# Altium PCB V5+_CORE_RC02.PcbDoc (part 1 of 3) (continued)
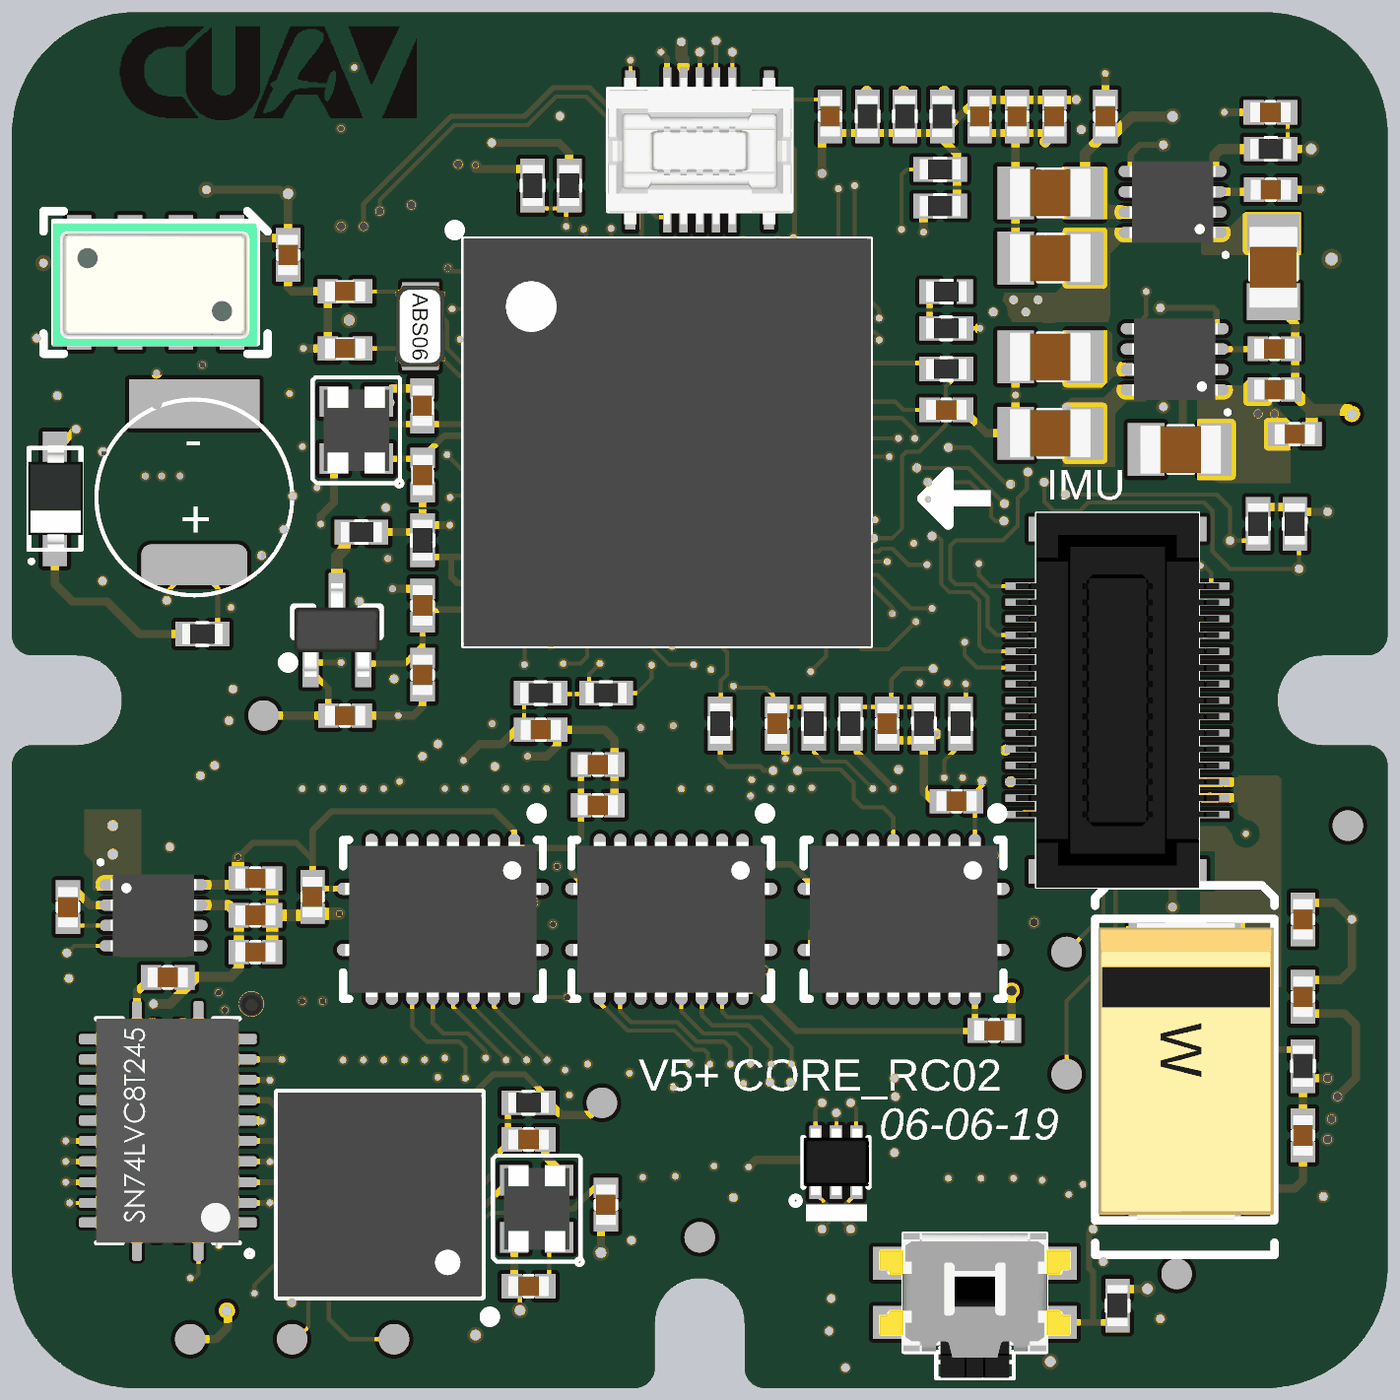
[diagram p8: 3D render of the assembled board from above, using the file's embedded part models]
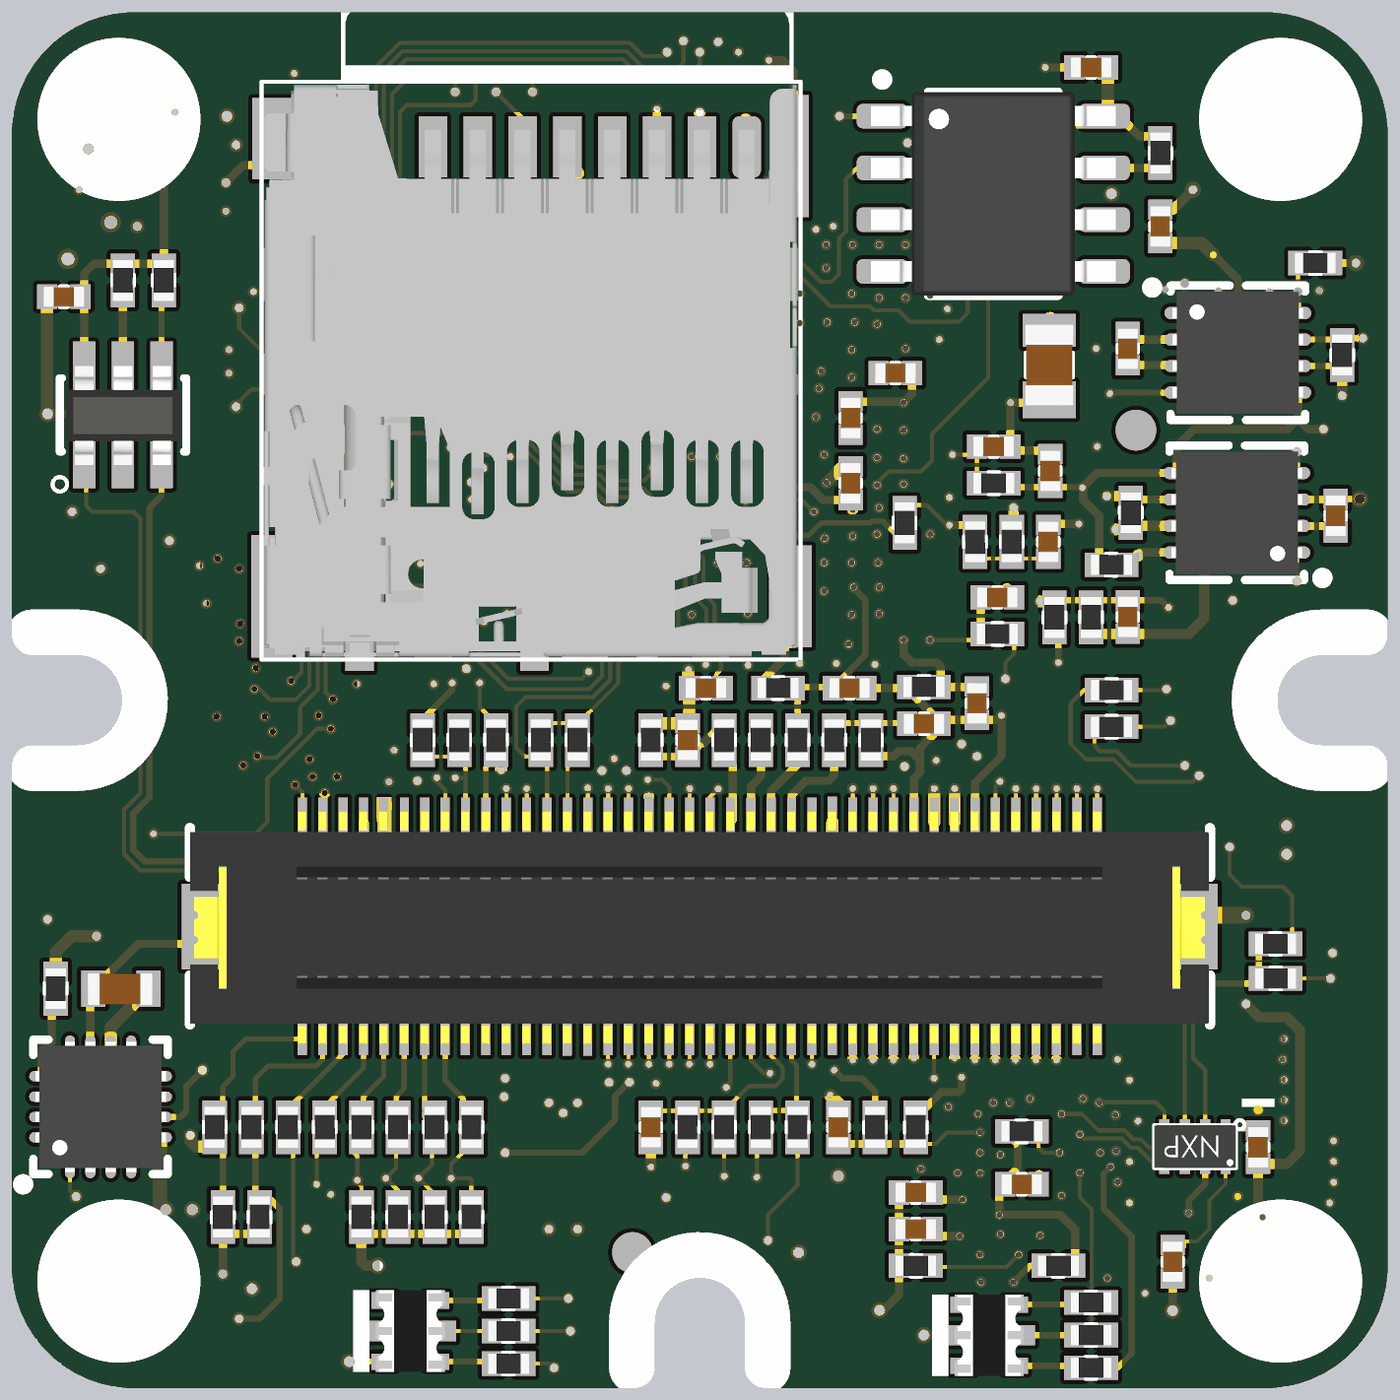
[diagram p9: 3D render of the assembled board from below, using the file's embedded part models]

## Layer stack, top to bottom
Top Solder: solder mask 0.0102, Solder Resist, Dk 3.5
Top Layer: signal copper 0.0356
Dielectric 1: core 0.254, FR-4, Dk 4.2
GND: signal copper 0.036
Dielectric 6: prepreg 0.127, Dk 4.2
S1: signal copper 0.036
Dielectric 3: core 0.254, Dk 4.2
S2: signal copper 0.036
Dielectric 7: prepreg 0.127, Dk 4.2
POWER: signal copper 0.036
Dielectric 5: core 0.254, Dk 4.2
Bottom Layer: signal copper 0.0356
Bottom Solder: solder mask 0.0102, Solder Resist, Dk 3.5

## Board outline
-16.875,0.3 ccw(c-13.875,0.3) -13.875,-2.7 -1.6,-2.7 ccw(c-1.6,-2.2) -1.1,-2.2 -1.1,-1.1 cw(c0,-1.1) 1.1,-1.1 1.1,-2.2 ccw(c1.6,-2.2) 1.6,-2.7 13.875,-2.7 ccw(c13.875,0.3) 16.875,0.3 16.875,12.575 ccw(c16.375,12.575) 16.375,13.075 15.275,13.075 cw(c15.275,14.175) 15.275,15.275 16.375,15.275 ccw(c16.375,15.775) 16.875,15.775 16.875,28.05 ccw(c13.875,28.05) 13.875,31.05 -13.875,31.05 ccw(c-13.875,28.05) -16.875,28.05 -16.875,15.775 ccw(c-16.375,15.775) -16.375,15.275 -15.275,15.275 cw(c-15.275,14.175) -15.275,13.075 -16.375,13.075 ccw(c-16.375,12.575) -16.875,12.575

## Design rules (kind name [scope] priority, off if disabled: settings)
Clearance [InPolygon vs OnLayer('Top Layer')         +OnLayer('GND')            +OnLayer('bottom Layer')  +OnLayer('POWER')     +OnLayer('S1')  +OnLayer('S2')  +OnMultiLayer] p1: gap=0.2
Clearance Clearance_1 [OnLayer('gnd')        +OnLayer('S1') +OnLayer('S2')+OnLayer('POWER')] p2: gap=0.125 except(0.1: Arc-Arc Arc-Track Arc-SMDPad Track-Track Track-SMDPad SMDPad-SMDPad; 0.15: Arc-Via Track-Via SMDPad-Via THPad-Via Via-Via)
Clearance Clearance_2 [All] p3: gap=0.125 except(0.1: Arc-Arc Arc-Track Arc-SMDPad Track-Track Track-SMDPad SMDPad-SMDPad)
DiffPairsRouting [All] p1: maxlimit=0.254 minlimit=0.125 mostfreqgap=0.254 toplayer_minwidth=0.1 toplayer_maxwidth=0.381 toplayer_prefwidth=0.2 midlayer1_minwidth=0.1 midlayer1_maxwidth=0.381 midlayer1_prefwidth=0.2 midlayer2_minwidth=0.1 midlayer2_maxwidth=0.381 midlayer2_prefwidth=0.2 midlayer3_minwidth=0.1 midlayer3_maxwidth=0.381 midlayer3_prefwidth=0.2 midlayer4_minwidth=0.1 midlayer4_maxwidth=0.381 midlayer4_prefwidth=0.2 bottomlayer_minwidth=0.1 bottomlayer_maxwidth=0.381 bottomlayer_prefwidth=0.2 maxuncoupledlength=12.7
HoleSize [All] p1: absolutevalues=TRUE maxlimit=2.54 minlimit=0.1 maxpercent=80.000 minpercent=20.000
MinimumSolderMaskSliver [All] p1: minsoldermaskwidth=0.17
PlaneClearance [All] p1: clearance=0.18
PlaneConnect [All] p1: planeconnectstyle=Direct reliefexpansion=0.508 reliefentries=4 reliefconductorwidth=0.254 reliefairgap=0.254
PolygonConnect [InNet('3V3')+InNet('MCU_3V3')+InNet('VBUS')+InNet('VDD_5V_IN')   +InNet('TF_3V3')    +InNet('IMU_3V3')  +InNet('VBAT') +InNet('IO1_3V3')  +InNet('VDD_5V_IN_IMU')  +OnMultiLayer] p1: connectstyle=Direct reliefconductorwidth=0.254 reliefentries=4 polygonreliefangle="90 Angle" airgapwidth=0.254
PolygonConnect PolygonConnect_1 [All] p2: connectstyle=Relief reliefconductorwidth=0.254 reliefentries=4 polygonreliefangle="90 Angle" airgapwidth=0.2
RoomDefinition 10_PX4IO_V2 [InComponentClass('10_PX4IO_V2')] p1: confinementstyle=ConfineIn formatcopy=TRUE lockcomponents=FALSE outline -86.353,-60.24 -35.553,-60.24 -35.553,-34.84 -86.353,-34.84
RoomDefinition 09_B_T_B_IO [InComponentClass('09_B_T_B_IO')] p2: confinementstyle=ConfineIn formatcopy=TRUE lockcomponents=FALSE outline 18.047,-1.24 20.347,-1.24 20.347,1.26 18.047,1.26
RoomDefinition 08_B_TO_B_V5+ [InComponentClass('08_B_TO_B_V5+')] p3: confinementstyle=ConfineIn formatcopy=TRUE lockcomponents=FALSE outline -86.353,-60.24 -35.553,-60.24 -35.553,-34.84 -86.353,-34.84
RoomDefinition 06_CAN_BUS [InComponentClass('06_CAN_BUS')] p4: confinementstyle=ConfineIn formatcopy=TRUE lockcomponents=FALSE outline -86.353,-60.24 -35.553,-60.24 -35.553,-34.84 -86.353,-34.84
RoomDefinition 05_Power_LDO [InComponentClass('05_Power_LDO')] p5: confinementstyle=ConfineIn formatcopy=TRUE lockcomponents=FALSE outline -86.353,-60.24 -35.553,-60.24 -35.553,-34.84 -86.353,-34.84
RoomDefinition 03_TF_CARD&MTD [InComponentClass('03_TF_CARD&MTD')] p6: confinementstyle=ConfineIn formatcopy=TRUE lockcomponents=FALSE outline -86.353,-60.24 -35.553,-60.24 -35.553,-34.84 -86.353,-34.84
RoomDefinition 02_FMU_MCU_IO [InComponentClass('02_FMU_MCU_IO')] p7: confinementstyle=ConfineIn formatcopy=TRUE lockcomponents=FALSE outline -86.353,-60.24 -35.553,-60.24 -35.553,-34.84 -86.353,-34.84
RoomDefinition 01_FMU_MCU_SYS [InComponentClass('01_FMU_MCU_SYS')] p8: confinementstyle=ConfineIn formatcopy=TRUE lockcomponents=FALSE outline -86.353,-60.24 -35.553,-60.24 -35.553,-34.84 -86.353,-34.84
RoomDefinition 07_5V_RAIL_ADC [InComponentClass('07_5V_RAIL_ADC')] p9: confinementstyle=ConfineIn formatcopy=TRUE lockcomponents=FALSE outline 18.002,-1.262 54.154,-1.262 54.154,1.138 18.002,1.138
RoomDefinition 04_ONB_Sensor [InComponentClass('04_ONB_Sensor')] p10: confinementstyle=ConfineIn formatcopy=TRUE lockcomponents=FALSE outline 17.847,-1.14 24.047,-1.14 24.047,9.76 17.847,9.76
RoutingVias [All] p1: holewidth=0.2 width=0.3 viastyle="Through Hole" minholewidth=0.15 minwidth=0.25 maxholewidth=1 maxwidth=5
SilkToSilkClearance [All] p1: silktosilkclearance=0.2
SilkToSolderMaskClearance [IsPad] p1: minsilkscreentomaskgap=0.125 clearancetoexposedcopper=TRUE
SolderMaskExpansion [All] p1: expansion=0.102
Width [All] p1: maxlimit=1 minlimit=0.1 preferedwidth=0.1 midlayer3_prefwidth=0.15 midlayer4_prefwidth=0.125 minimp=50.000000 maximp=50.000000 favimp=50.000000
23 further rules are at their usual default settings.

## Classes and differential pairs
component class 09_B_T_B_IO: C50 C51 C53 C56 C57 C58 C59 C67 R15 R16 R24 R25 R26 R28 R29 R30 R37 R39 R43 R44 R47 R48 R58 R59 U11 U12 U14 U15
component class 07_5V_RAIL_ADC: C29 C35 C36 C37 C38 C39 C40 C41 R13 R14 R20 R21 R22 R23 R34 R35 R36 R63 R64 R71 R72 R73 R78
component class 01_FMU_MCU_SYS: BOOT0 C1 C2 C3 C4 C5 C6 C7 C9 C10 C11 C13 C22 C42 C46 C47 C48 D4 D5 M1 M2 M3 M4 MCU_3V3 R2 R3 R4 R5 R6 R7 R33 R50 R75 R76 U2 U5 "V5 Core V2.2A" "V5+ CORE_RC02" X1
component class 03_TF_CARD&MTD: C8 C62 C63 R49 R51 R52 R53 R54 R55 TF U3
component class 05_Power_LDO: C14 C15 C16 C30 C31 C32 C33 C34 C52 C55 C60 C61 C64 C69 C70 C71 C72 C73 R10 U13 U16 U24 VDD_5V_IN
component class 06_CAN_BUS: C44 C45 R1 R18 R45 R46 U8 U9 U17
component class 02_FMU_MCU_IO: C20 C21 D1 FMU-SWCLK FMU-SWDIO GND R40 R41 R42 R66 R67 R68 R69 R70 U1 X2
component class 04_ONB_Sensor: C18 C19 C23 C28 C49 L1 R56 U4 U10
component class 10_PX4IO_V2: C12 C24 C25 C26 C27 C54 C65 C66 D2 IO-SWCLK1 IO-SWDIO1 IO-VDD_3V3 R38 R80 R81 R84 R90 R91 R92 R93 R95 R96 R97 U6 U7 X3
component class 08_B_TO_B_V5+: C17 C43 CON1 CON2 IMU R8 R9 R11 R12 R17 R19 R27 R31 R32 R65 R82 R83 R89 R99
differential pair USB_D: +USB_D_P -USB_D_N

## Components (designator, comment, footprint, x,y, rotation, side; value= is the part's Value field where it differs from the comment)
BOOT0 "EVQ-P7J01P" EVQ-P7J01P 6.75,-0.4 r0 top
C1 "12PF/50V/5%" SC0402 -6.8,21.4 r270 top
C2 "12PF/50V/5%" SC0402 -6.8,19.7 r90 top
C3 "0402C2.2UF" 0402C -0.15,14.475 r0 bottom
C4 "0402C2.2UF" 0402C 6.05,21.3 r0 top
C5 "0402C100NF" 0402C 14,28.6 r0 top
C6 "0402C100NF" 0402C -4.8,22.2 r0 bottom
C7 "0402C100NF" 0402C -3.9,13.45 r180 top
C8 "0402C100NF" 0402C -9.6,29.7 r180 bottom
C9 "0402C100NF" 0402C -3.7,19.5 r90 bottom
C10 "0402C100NF" 0402C -8.6,19.8 r270 bottom
C11 "0402C100NF" 0402C -3.7,21.1 r270 bottom
C12 "0402C100NF" 0402C -4.2,3.4 r180 top
C13 "0402C100NF" 0402C -7.3,16.7 r0 bottom
C14 "47uf/16V" 0805CAP#1 -8.6,22.4 r270 bottom
C15 "47uf/16V" 0805CAP#2 8.6,25 r180 top
C16 "47uf/16V" 0805CAP#1 11.8,20.3 r180 top
C17 "47UF 16V" 7343CAP 11.9,5.1 r270 top
C18 "0402C100NF" 0402C 14.8,6.9 r270 top
C19 "4.7UF/16V/10%" 0603C 14.2,7.1 r0 bottom
C20 "27PF" SC0402 -8.7,22.8 r180 top
C21 "27PF" SC0402 -8.7,24.2 r180 top
C22 "100NF" 0402CAP 15.6,24.075 r0 bottom
C23 "0402C100NF" 0402C 14.8,3.5 r90 top
C24 "12PF/50V/5%" 0402C -4.2,-0.2 r180 top
C25 "12PF/50V/5%" 0402C -2.3,1.8 r90 top
C26 "0402C100NF" 0402C -7.9,2.3 r180 bottom
C27 "0402C100NF" 0402C 9.95,28.5 r270 top
C28 "0402C2.2UF" 0402C -11.3,25.8 r90 bottom
C29 "0402C100NF" 0402C 0.3,13.2 r270 bottom
C30 "100NF" 0402CAP -11.6,0.4 r270 bottom
C31 "100NF" 0402CAP 14.01,26.7 r0 top
C32 "100NF" 0402CAP 14.1,21.8 r180 top
C33 "100NF" 0402CAP -8.7,13.8 r180 top
C34 "100NF" 0402CAP 8.7,28.5 r90 top
C35 "0402C100NF" 0402C -3.675,14.475 r0 bottom
C36 "0402C100NF" 0402C -6.8,14.1 r90 bottom
C37 "0402C100NF" 0402C -5.5,13.6 r0 bottom
C38 "0402C100NF" 0402C -8.553,18.06 r90 bottom
C39 "0402C100NF" 0402C -10.5,16.22 r270 bottom
C40 "0402C100NF" 0402C 4.6,13.6 r270 top
C41 "0402C100NF" 0402C 1.9,13.6 r270 top
C42 "0402C100NF" 0402C -7.21,20.4 r180 bottom
C43 "0402C1NF" 0402C 1.2,3.7 r270 bottom
C44 "0402C100NF" 0402C -10.5,22.8 r270 bottom
C45 "0402C100NF" 0402C -15.6,18.7 r90 bottom
C46 "0402C100NF" 0402C 14.6,20.7 r0 top
C47 "0402C2.2UF" 0402C -6.8,16.5 r270 top
C48 "0402C100NF" 0402C -6.8,14.8 r90 top
C49 "0402C100NF" 0402C -10.1,25.1 r90 top
C50 "100nf" 0402CAP 6.3,11.7 r0 top
C51 "100nf" 0402CAP 7.225,6.075 r180 top
C52 "47uf/16V" 0805CAP#2 8.6,26.6 r180 top
C53 "100nf" 0402CAP -2.5,11.6 r180 top
C54 "0402C100NF" 0402C -3.4,3.7 r90 bottom
C55 "47uf/16V" 0805CAP#2 14.1,24.8 r270 top
C56 "100nf" 0402CAP -13.05,7.375 r0 top
C57 "100nf" 0402CAP -9.5,9.35 r90 top
C58 "100nf" 0402CAP -13.7,3.21 r270 bottom
C59 "100nf" 0402CAP -10.9,8 r180 top
C60 "100NF" 0402CAP -15.5,9.1 r90 top
C61 "10UF/10V" 0402CAP -10.9,9.8 r180 top
C62 "0402C2.2UF" 0402C 3.2,28.5 r270 top
C63 "0402C100NF" 0402C 6.866,28.5 r90 top
C64 "10UF/10V" 0402CAP -10.9,8.9 r180 top
C65 "0402C100NF" 0402C -5.3,2.1 r180 bottom
C66 "0402C100NF" 0402C -5.3,1.2 r180 bottom
C67 "100nf" 0402CAP -2.5,12.6 r180 top
C69 "100NF" 0402CAP 14.8,8.8 r90 top
C70 "100NF" 0402CAP 14.1,22.8 r0 top
C71 "100NF" 0402CAP 7.783,28.5 r90 top
C72 "47uf/16V" 0805CAP#2 8.6,20.7 r180 top
C73 "47uf/16V" 0805CAP#2 8.6,22.575 r180 top
CON1 "DF17(1.0H)-80DP-0.5V(57)" DF17(1.0H)-80DP-0.5V(57) 0,8.625 r180 bottom locked
CON2 "axt510224" axt510224 0,27.675 r0 top locked (schematic designator I2C1)
D1 "19-337C/RSBHGHC-A01/2T" "19-337 SMD" 7.1,-1.3 r180 bottom
D2 "19-337C/RSBHGHC-A01/2T" "19-337 SMD" -7.1,-1.4 r180 bottom
D4 "4148" SOD323 -15.6,19.1 r0 top
D5 "PAS414HR-VE5R" PAS414R-S-VE5R -12.3,19.3 r0 top
FMU-SWCLK "TP_0.75" TP0.75 9,8 r0 top
FMU-SWDIO "TP_0.75" TP0.75 9,5 r0 top
GND "TP_0.75" TP0.75 -12.5,-1.5 r90 top
IMU "DF18B-30DS-0.4V" DF18B-30DS-0.4V 10.25,14.175 r90 top locked
IO-SWCLK1 "TP_0.75" TP0.75 -7.5,-1.5 r270 top
IO-SWDIO1 "TP_0.75" TP0.75 -10,-1.5 r180 top
IO-VDD_3V3 "TP_0.75" TP0.75 -2.4,4.3 r90 top
L1 "BLM15HG102SN1D" 0402R 15.8,7.1 r90 bottom
M1 "MARK" MARK#1 0,1 r0 top
M2 "MARK" MARK#1 15.9,11.1 r0 top
M3 "MARK" MARK#2 1.65,0.625 r180 bottom
M4 "MARK" MARK#3 -10.5,21.5 r180 bottom
MCU_3V3 "MCU_3V3" TP0.75 11.7,0.1 r90 top
R1 "0402R10K" 0402R -15.1,24.9 r180 bottom
R2 "0402R0R/DNP" 0402R -3.2,26.8 r90 top
R3 "10K" 0402R -4.1,26.8 r90 top
R4 "0402R0R" 0402R -6.8,18.1 r270 top
R5 "10K" 0402R -7.21,19.5 r180 bottom
R6 "10K" 0402R 10.25,-0.675 r270 top
R7 "0R" 0402R -7.3,15.8 r180 bottom
R8 "10K" 0402R 6.05,22.3 r0 top
R9 "100R" 0402R 0.5,13.6 r90 top
R10 "10K" 0402R 14.01,27.7 r0 top
R11 "2.2K" R0402#1 -14.125,8.2 r0 bottom
R12 "220R" R0402#1 -2.4,3.7 r90 bottom
R13 "2M" 0402R -4.2,13.2 r270 bottom
R14 "2M" 0402R -1.925,14.475 r0 bottom
R15 "0402R1.5K" 0402R 7.4,1.5 r270 bottom
R16 "0402R1.5K" 0402R 8.3,1.5 r270 bottom
R17 "220R" R0402#1 -1.5,3.7 r90 bottom
R18 "0402R10K" 0402R -10.1,17.5 r0 bottom
R19 "220R" 0402R 6.4,13.6 r270 top
R20 "0402R1K" 0402R -0.6,13.2 r90 bottom
R21 "0402R1K" 0402R -2.4,13.2 r90 bottom
R22 "0402R1K" 0402R -1.5,13.2 r90 bottom
R23 "0402R1K" 0402R -3.3,13.2 r90 bottom
R24 "0402R1.5K" 0402R 11.7,1.5 r270 bottom
R25 "0402R1.5K" 0402R 10.8,1.5 r270 bottom
R26 "0402R200R" 0402R 10.1,3.7 r90 bottom
R27 "0402R10K" 0402R 0.3,3.7 r90 bottom
R28 "0402R200R" 0402R 11,3.7 r90 bottom
R29 "0402R1.5K" 0402R 5.6,1.5 r270 bottom
R30 "0402R1.5K" 0402R 6.5,1.5 r270 bottom
R31 "100K" R0402#1 3,13.2 r90 bottom
R32 "100K" R0402#1 3.9,13.2 r90 bottom
R33 "0R" 0402R -8.3,18.3 r180 top
R34 "10K" 0402R -7.653,18.06 r90 bottom
R35 "10K" 0402R -8.7,16.21 r270 bottom
R36 "10K" 0402R -9.6,16.21 r90 bottom
R37 "0402R200R" 0402R 9.2,3.7 r90 bottom
R38 "220R" R0402#1 -8.8,0.3 r0 bottom
R39 "0402R200R" 0402R 11.9,3.7 r90 bottom
R40 "1K" 0402R 4.69,-2.1 r0 bottom
R41 "1K" 0402R 4.69,-0.5 r0 bottom
R42 "1K" 0402R 4.69,-1.3 r0 bottom
R43 "0402R200R" 0402R 8.3,3.7 r90 bottom
R44 "0402R200R" 0402R 6.5,3.7 r90 bottom
R45 "120R" R0402#1 -15.761,22.647 r270 bottom
R46 "120R" R0402#1 -10.575,18.775 r90 bottom
R47 "0402R200R" 0402R 7.4,3.7 r90 bottom
R48 "0402R200R" 0402R 5.6,3.7 r90 bottom
R49 "1K" R0402#1 -11.3,27.6 r270 bottom
R50 "220R" 0402R -12.2,15.8 r180 top
R51 "100K" R0402#1 4.116,28.5 r90 top
R52 "100K" R0402#1 5.95,28.5 r90 top
R53 "100K" R0402#1 5.033,28.5 r90 top
R54 "100K" R0402#1 5.9,27.2 r180 top
R55 "100K" R0402#1 5.9,26.3 r180 top
R56 "0402R10K" 0402R 14.8,5.2 r90 top
R58 "0402R1.5K" 0402R 13.7,18.5 r90 top
R59 "0402R1.5K" 0402R 14.6,18.5 r90 top
R63 "2M" 0402R -5.5,14.5 r0 bottom
R64 "2M" 0402R 1.2,13.2 r90 bottom
R65 "0402R10K" 0402R -0.6,3.7 r90 bottom
R66 "62K" R0402#1 -3.9,14.35 r180 top
R67 "51K" R0402#1 -2.3,14.35 r180 top
R68 "NC" R0402#2 6.05,24.2 r0 top
R69 "NC" R0402#1 6.05,23.3 r180 top
R70 "10k" R0402#1 -5.025,18.525 r90 bottom
R71 "10K" R0402#1 3.7,13.6 r270 top
R72 "10K" R0402#1 5.5,13.6 r90 top
R73 "10K" R0402#1 2.8,13.6 r270 top
R75 "10K" R0402#1 14.15,24.475 r90 bottom
R76 "50K" 0402R 13.15,24.475 r90 bottom
R78 "10K" 0402R -6.753,18.06 r90 bottom
R80 "10K" 0402R -7.9,3.6 r0 bottom
R81 "220R" 0402R -10.1,13.525 r180 bottom
R82 "220R" 0402R 6.8,13.2 r270 bottom
R83 "1K5" 0402R 5.9,13.2 r90 bottom
R84 "220R" 0402R -10.1,14.425 r180 bottom
R89 "100R" 0402R 5,13.2 r90 bottom
R90 "10K" 0402R -5.3,0.3 r180 bottom
R91 "10K" 0402R -4.2,4.3 r180 top
R92 "20K" R0402#1 -4.3,3.7 r270 bottom
R93 "10K" R0402#1 -5.3,3.7 r270 bottom
R95 "1K" 0402R -9.6,-0.6 r0 bottom
R96 "1K" 0402R -9.6,-1.4 r0 bottom
R97 "1K" 0402R -9.6,-2.2 r0 bottom
R99 "220R" R0402#1 -14.125,7.35 r180 bottom
TF "5033981892" 5033981892 3.25,22.75 r180 bottom
U1 "STM32F765IIK6" UFBGA176 -0.8,20.5 r0 top locked
U2 "REF3333AIDCKR" SC70 -8.9,15.9 r90 top
U3 "FM25V02-G" SO-8 -7.2,26.6 r180 bottom
U4 "ist8310" LGA16_4X4 14.7,4.2 r90 bottom
U5 "TPS3808G09DBVR" SOT-23-6 14.15,21.175 r0 bottom
U6 "STM32F100R8H7B" TFBGA64 -7.85,2.05 r180 top locked
U7 "74LVC2G240GT" 74LVC2G240GT -12.15,3.25 r270 bottom
U8 "TJA1051TK/3" QFN8_0.65#1 -13.2,22.7 r180 bottom
U9 "TJA1051TK/3" QFN8_0.65#2 -13.175,18.775 r0 bottom
U10 "ms5611" ms5611 -13.4,24.4 r0 top
U11 "TXS0108E" VQFN20 -0.7,8.8 r270 top
U12 "TXS0108E" VQFN20 5,8.8 r270 top
U13 "MIC5330-SSYML" MLF8 11.6,26.4 r180 top
U14 "TXS0108E" VQFN20 -6.3,8.8 r270 top
U15 "SN74LVC8T245" QFN24-RGY -13.1,3.5 r90 top
U16 "MIC5330-SSYML" MLF8 -13.4,8.9 r0 top
U17 "NUF2042XV6T1G" SOT563-6 3.3,2.8 r90 top
U24 "MIC5330-SSYML" MLF8 11.652,22.539 r180 top
"V5+ CORE_RC02" "CUAV" CUAV -10.5,29.5 r0 top
VDD_5V_IN "TP_0.75" TP0.75 -10.7,13.8 r180 top
X1 "Q22FA12800400" 2016_CRYSTAL -8.425,20.8 r90 top
X2 "ABS06-32.768KHZ-9-1-T" ABS06 -6.875,23.25 r90 top
X3 "XRCGB24M000F3A00R0" 2016_CRYSTAL -4,1.7 r90 top

## Footprints (in the part's own frame and the unit in brackets; to place one, negate y for a bottom-side part, rotate by r counter-clockwise, add the part's x,y. Pads: shape width x height; smd on the part's side, far side on the other; paste and mask are expansions set on the pad)
"19-337 SMD" [mm]
  rect 0.6x0.4 smd: 1(0.65,0.75) 2(-0.65,0.75) 5(0.65,-0.75) 6(-0.65,-0.75)
  rect 0.75x0.5 smd: 3(0.75,0) 4(-0.75,0)
  silkscreen extent -1.4,-1 -1,1, body extent -0.85,-1 0.85,1, height 0.5
74LVC2G240GT [mm]
  rect 0.5x0.25 smd: 1(-0.4,0.75) 2(-0.4,0.25) 3(-0.4,-0.25) 4(-0.4,-0.75) 5(0.45,-0.75) 6(0.45,-0.25) 7(0.45,0.25) 8(0.45,0.75)
  silkscreen extent -0.62,-1 0.55,1.21, body extent -0.5,-1 0.55,1, height 0.46
0402C [mm]
  rect 0.5x0.6 smd: 1(-0.41,0) 2(0.41,0)
  silkscreen extent -0.1,-0.25 0.1,0.25, body extent -0.5,-0.25 0.5,0.25, height 0.5
0402CAP [mm]
  rect 0.5x0.6 smd: 1(-0.41,0) 2(0.41,0)
  silkscreen extent -0.1,-0.25 0.1,0.25, body extent -0.5,-0.25 0.5,0.25, height 0.5
0402R [mm]
  rect 0.5x0.6 smd: 1(-0.41,0) 2(0.41,0)
  silkscreen extent -0.13,-0.27 0.14,0.28, body extent -0.5,-0.25 0.5,0.25, height 0.3
0603C [mm]
  rect 0.6x0.9 smd: 1(-0.675,0) 2(0.675,0)
  silkscreen extent 0,-0.17 0,0.18, body extent -0.78,-0.39 0.82,0.41, height 0.6
0805CAP#1 [mm]
  rect 0.8x1.3 smd: 1(-0.85,-0.025)
  rect 0.9x1.3 smd: 2(0.85,-0.025)
  silkscreen extent -0.55,-0.6 0.55,0.55, body extent -1,-0.62 1,0.58, height 1.2
0805CAP#2 [mm]
  rect 0.9x1.3 smd: 1(-0.85,-0.025) 2(0.85,-0.025)
  silkscreen extent -0.55,-0.6 0.55,0.55, body extent -1,-0.62 1,0.58, height 1.2
2016_CRYSTAL [mm] "Chip Array, Flat, 4-Leads, Pitch 0.90mm,  Body 1.60x2.00mm,  IPC Medium Density"
  rect 0.75x0.7 smd: 1(-0.7,-0.55) 2(0.7,-0.55) 3(0.7,0.55) 4(-0.7,0.55)
  silkscreen extent -1.38,-1.13 1.3,1.07, body extent -1.05,-0.8 1.05,0.8, height 0.65
7343CAP [mm]
  rect 1.5x2.75 smd: A(-2.903,0) C(2.903,0)
  silkscreen extent -4.53,-2.2 4.53,2.2, body extent -3.63,-2.12 3.67,2.18, height 2.25
5033981892 [mm]
  rect 0.7x0.9 smd: 0(-5.1,-7.4) 10(-0.8,-7.4)
  rect 0.7x1.5 smd: 1(-3.3,5) 2(-2.2,5) 3(-1.1,5) 4(0,5) 5(1.1,5) 6(2.2,5) 7(3.3,5)
  rect 1x3 smd: 6(-7.25,-6.025)
  rect 1.25x2 smd: 6(-7.1,5.2)
  rect 0.75x3 smd: 6(5.55,4.775)
  rrect50% 0.7x1.5 smd: 8(4.4,5)
  rect 1x2.5 smd: 9(5.5,-6.025)
  silkscreen extent -7.5,-7.58 5.73,9.5, body extent -7.45,-7.52 5.65,6.53, height 1.25
ABS06 [mm]
  rect 0.7x0.9 smd: 1(0.825,-0.025) 2(-0.625,-0.025)
  body extent -0.9,-0.63 1.1,0.6, height 1
axt510224 [mm]
  rect 0.25x0.5 smd: 0(-1.7,-1.7) 0(1.7,-1.7) 10(-1.7,1.7) 10(1.7,1.7)
  rect 0.2x0.75 smd: 1(-0.8,-1.65) 2(-0.4,-1.65) 3(0,-1.65) 4(0.4,-1.65) 5(0.8,-1.65) 6(0.8,1.65) 7(0.4,1.65) 8(0,1.65) 9(-0.4,1.65) 10(-0.8,1.65)
  silkscreen extent -2.25,-1.5 2.25,1.5, body extent -2.25,-1.82 2.25,1.78, height 1.17